# Altium PCB Dash Board.PcbDoc (continued)
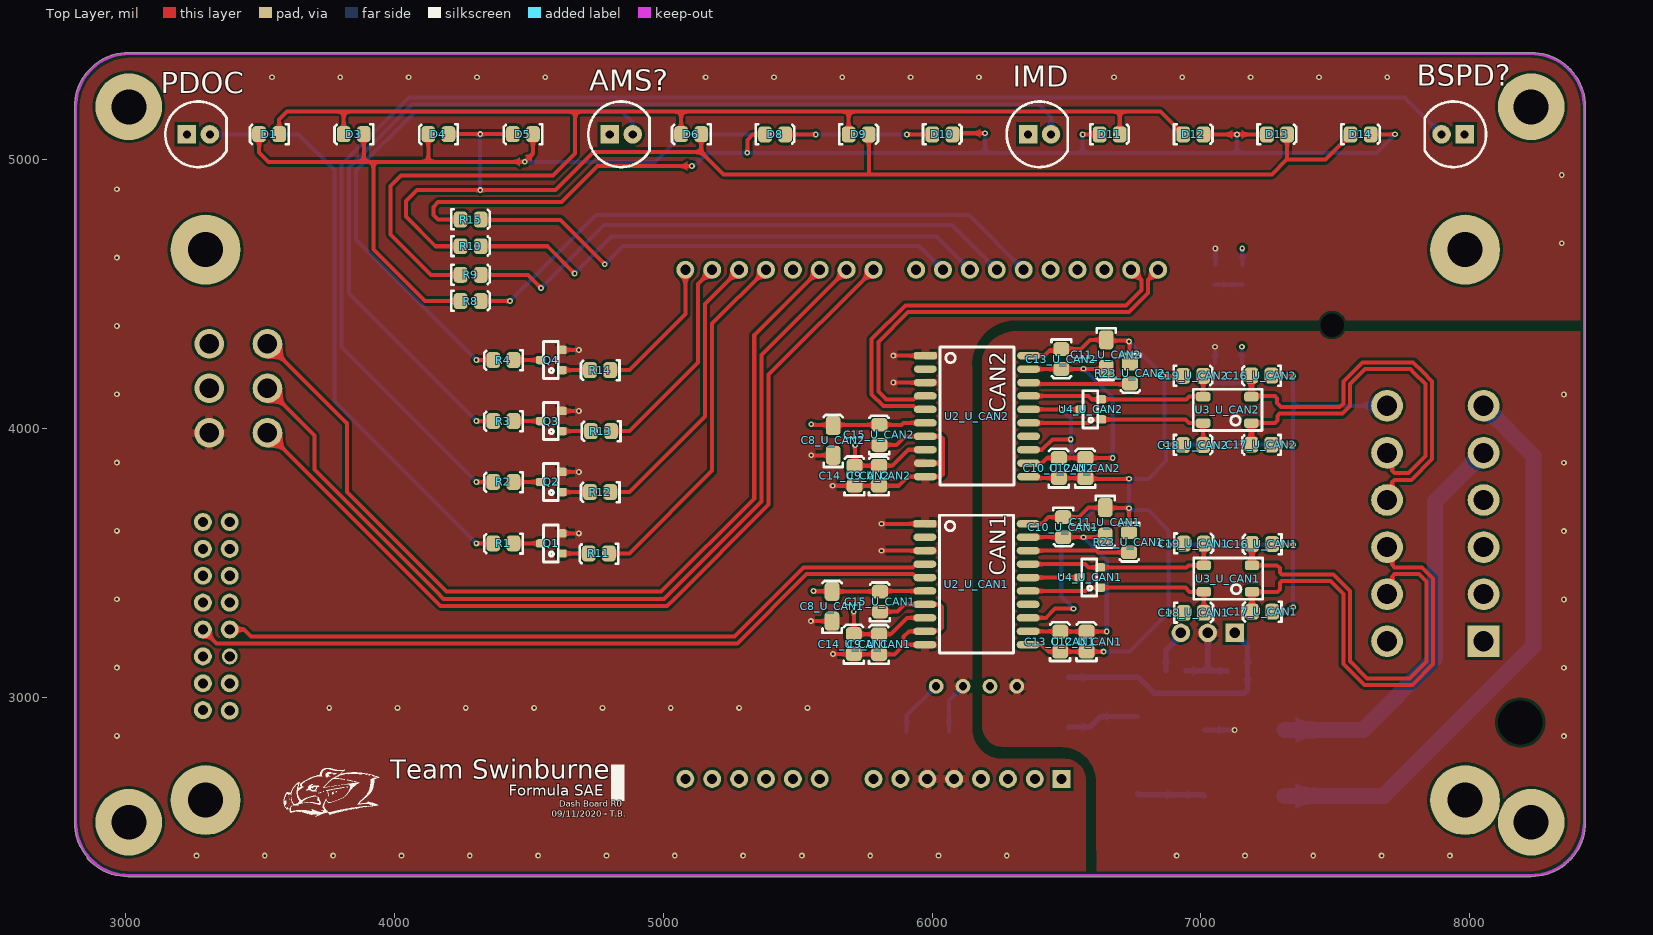
[diagram p0: Top Layer view]
## Part data
"5V ACTIVE" "5V ACTIVE (ISO)": library part SML-210LTT86, "Red LED Indication - Discrete 1.75V 0805 (2012 Metric)", Colour=Red, Digikey Part Number=511-1286-1-ND, Manufacturer="ROHM Semiconductor", Digikey Link=https://www.digikey.com/product-detail/en/rohm-semiconductor/SML-210LTT86/511-1286-1-ND/637099, Part Number=SML-210LTT86
AMS? BSPD? IMD PDOC: library part C503B-GAN-CB0F0791, "LED RED CLEAR 5MM ROUND T/H", Colour=Green, Digikey Part Number=C503B-GAN-CB0F0791-ND, Manufacturer="Cree Inc.", Digikey Link=https://www.digikey.com/products/en?mpart=C503B-GAN-CB0F0791&v=90&fbclid=IwAR2JUDlssEKQKztQKB3h34IlXIXn-Voov26K1DpWHwQ6mgzekaFZMifRLJU, Part Number=C503B-GAN-CB0F0791
C8_U_CAN1 C8_U_CAN2 C11_U_CAN1 C11_U_CAN2: library part GCM3195C2A103JA16D, Digikey Part Number=490-4978-2-ND, Manufacturer=muRata, Rated Voltage=100V, Tolerance=5%, Material=Ceramic, Part Number=GCM3195C2A103JA16D
C9_U_CAN1 C9_U_CAN2 C10_U_CAN1 C10_U_CAN2 C13_U_CAN1 C13_U_CAN2 C15_U_CAN1 C15_U_CAN2: library part GCM21BR71E104KA37L, Manufacturer=muRata, Rated Voltage=25V, Tolerance=10%, Material=X7R, Part Number=GCM21BR71E104KA37L
C12_U_CAN1 C12_U_CAN2 C14_U_CAN1 C14_U_CAN2 C20: library part GRM21BR6YA106KE43L, Digikey Part Number=490-10514-6-ND, Manufacturer=muRata, Rated Voltage=50V, Tolerance=10%, Material=X5R, Part Number=GRM21BR6YA106KE43L
C16_U_CAN1 C16_U_CAN2 C17_U_CAN1 C17_U_CAN2 C18_U_CAN1 C18_U_CAN2 C19_U_CAN1 C19_U_CAN2: library part GCM21B5C1H101JA37L, Manufacturer=muRata, Rated Voltage=50V, Tolerance=5%, Material=C0G, Part Number=GCM21B5C1H101JA37L
C21: library part GRM21BR61A226ME51L, Digikey Part Number=490-10511-1-ND, Manufacturer=muRata, Rated Voltage=10V, Tolerance=20%, Material=X5R, Part Number=GRM21BR61A226ME51L
D1 D3 D4 D5 D6 D8 D9 D10 D11 D12 D13 D14: library part SML-210LTT86, "Red LED Indication - Discrete 1.75V 0805 (2012 Metric)", Digikey Part Number=511-1286-1-ND, Manufacturer="ROHM Semiconductor", Colour=Red, Digikey Link=https://www.digikey.com/product-detail/en/rohm-semiconductor/SML-210LTT86/511-1286-1-ND/637099, Part Number=SML-210LTT86
D2: "1.2V_F 600V 5A SMB", Digikey Part Number=1655-1530-2-ND, Manufacturer="SMC Diode Solutions", Digikey Link=https://www.digikey.com/product-detail/en/smc-diode-solutions/SD560BTR/1655-1530-2-ND/6022620, Part Number=SD560BTR
D7: "DIODE ZENER 5.6V 1W SMA", Digikey Part Number=SMAZ5V6-FDICT-ND, Manufacturer="Diodes Inc", Digikey Link=https://www.digikey.com/product-detail/en/diodes-incorporated/SMAZ5V6-13-F/SMAZ5V6-FDICT-ND/755500, Part Number=SMAZ5V6-13-F
F1: "SMD 24V 2A Fuse", Digikey Part Number=507-1749-2-ND, Manufacturer="Bel Fuse Inc", Digikey Link=https://www.digikey.com/product-detail/en/bel-fuse-inc/0ZCF0200AF2C/507-1749-2-ND/4156090, Part Number=0ZCF0200AF2C
P?: "Mini-Fit VERT 3x2", Digikey Part Number=WM3802-ND, Angle=0, Contact=Gold, Digikey Link=https://www.digikey.com/product-detail/en/molex/0039281063/WM3802-ND/61404, Flange=No, Part Number=39281063, Pitch=4.20mm, Positions=6, Row Spacing=4.2mm
Q1 Q2 Q3 Q4: "300mW  BJT NPN Transistor", Digikey Part Number=BC817-16LT1OSTR-ND, Manufacturer="ON Semiconductor", Digikey Link=https://www.digikey.com.au/product-detail/en/on-semiconductor/BC817-16LT1/BC817-16LT1OSTR-ND/606178, Part Number=BC817-16LT1
R1 R2 R3 R4: library part RC0805FR07240RL, Manufacturer=YAGEO, Rated Voltage=0.125W, Tolerance=0.01, Material=FR-07, Part Number=RC0805FR07240RL, Qty=50
R8 R9 R10 R15: library part RC0805FR07680RL, Manufacturer=YAGEO, Rated Voltage=0.125W, Tolerance=0.01, Material=FR-07, Part Number=RC0805FR07680RL, Qty=50
R11 R12 R13 R14: library part RC0805FR071KL, Manufacturer=YAGEO, Rated Voltage=0.125W, Tolerance=0.01, Material=FR-07, Part Number=RC0805FR071KL, Qty=50
R23_U_CAN1 R23_U_CAN2: library part RC0805FR070RL, Manufacturer=YAGEO, Rated Voltage=0.125W, Tolerance=0.01, Material=FR-07, Part Number=RC0805FR070RL, Qty=50
R34 R35: library part RC0805FR071K5L, Manufacturer=YAGEO, Rated Voltage=0.125W, Tolerance=0.01, Material=FR-07, Part Number=RC0805FR071K5L, Qty=50
U1: "STM32F469 Discovery STM32F4 ARM® Cortex®-M4 MCU 32-Bit Embedded Evaluation Board  (The Disco 69 lol)", Digikey Part Number=497-15990-ND, Manufacturer=STMicroelectronics, Digikey Link=https://www.digikey.com/product-detail/en/stmicroelectronics/STM32F469I-DISCO/497-15990-ND/5428811, Part Number=DISCO-F469NI
U2_U_CAN1 U2_U_CAN2: "Isolated CAN Transceiver", Digikey Part Number=ADM3053BRWZ-ND, Manufacturer="Analogue Devices", Digikey Link=https://www.digikey.com/product-detail/en/analog-devices-inc/ADM3053BRWZ/ADM3053BRWZ-ND/2709332, Part Number=ADM3053
U3_U_CAN1 U3_U_CAN2: "Common mode choke intended for CANBUS 150mA 50V)", Digikey Part Number=495-4598-2-ND, Manufacturer="EPCOS (TDK)", Digikey Link=https://www.digikey.com/product-detail/en/epcos-tdk/B82787C0104H002/495-4598-2-ND/3680998, Part Number=B82787C0104H002
U4_U_CAN1 U4_U_CAN2: "Dual Line CAN Bus Protector", Digikey Part Number=NUP2105LT1GOSCT-ND, Manufacturer="ON Semiconductor", Digikey Link=https://www.digikey.com/product-detail/en/on-semiconductor/NUP2105LT1G/NUP2105LT1GOSCT-ND/1485001, Part Number=NUP2105L
U9: "CONV DC/DC 1A 5V OUT SIP VERT", Digikey Part Number=945-1395-5-ND, Manufacturer=Recom, Digikey Link=https://www.digikey.com.au/product-detail/en/recom-power/R-78C5.0-1.0/945-1395-5-ND/2652148, Part Number=R-78C5.0-1.0
U10: "5V DC-DC Converter (2W)", Digikey Part Number=945-1189-ND, Manufacturer=Recom, Digikey Link=https://www.digikey.com/product-detail/en/recom-power/RI-0505S/945-1189-ND/2256369, Part Number=RI-0505S
U11: "Common Mode Choke 120UH 2.5A 2LN 460 OHM SMD", Digikey Part Number=732-1489-2-ND, Manufacturer="Wurth Electronics Inc", Digikey Link=https://www.digikey.com/product-detail/en/wurth-electronics-inc/744272121/732-1489-2-ND/1638893, Part Number=744272121
Universal: library part DTF15-12P[[/\]]DTF15-12P, Digikey Part Number=1734-1647-ND, Angle=0, Contact="Copper Alloy", Digikey Link=https://www.digikey.com.au/product-detail/en/te-connectivity-deutsch-connectors/DTF15-12PA/1734-1647-ND/7220164, Flange=No, Part Number=DTF15-12P, Pitch=4.44mm, Positions=12, Row Spacing="9.12 mm"

## Free pads (board coordinates)
  round 248.03 hole 129.92: 4(3011.81,2535.43) 4(3011.81,5196.85) 4(8228.35,2535.43) 4(8228.35,5196.85)

## Via types
v1: diameter 21.65, hole 9.84, Top Layer to Bottom Layer, tented both sides, 118 vias

## Nets (pads, with @x,y where several pads share a name; then routed paths per layer and width w, separated by ;. In a path a pad name is that pad's centre, name@x,y a point inside that pad or via, vN(x,y) a via of type N, cw(c..) or ccw(c..) an arc to the next point about the centre after c; other vN are vias at no path point)
0V: C20.1 C21.1 R34.1 U9.2 U10.1 U11.3 | length 468.6
  Bottom Layer w15: R34.1 v1(7052.3,4304.32)
  Bottom Layer w20: C21.1 7025.2,3098.43 ; U11.3 v1(7125.2,2878.74) ; U9.2 7025.2,3098.43 ; C20.1 7025.2,3098.43
  other v1: 6909.4,2411.42 7163.55,2411.42 7417.7,2411.42 7671.85,2411.42 7926,2411.42 8350,2856 8350,3110.15 8350,3364.3 8350,3618.45 8350,3872.6 8350,4126.76
"0V (ISO)": C8_U_CAN1.1 C8_U_CAN2.1 C9_U_CAN1.1 C9_U_CAN2.1 C14_U_CAN1.1 C14_U_CAN2.1 C15_U_CAN1.1 C15_U_CAN2.1 D7.A P?.3 Q1.E Q2.E Q3.E Q4.E R35.1 U1.5 U1.6 U2_U_CAN1.1 U2_U_CAN1.3 U2_U_CAN1.7 U2_U_CAN1.9 U2_U_CAN1.10 U2_U_CAN2.1 U2_U_CAN2.3 U2_U_CAN2.7 U2_U_CAN2.9 U2_U_CAN2.10 U10.3 | length 2967.8
  Top Layer w15: Q1.E v1(4686.05,3610.05) ; Q2.E v1(4686.05,3838.61) ; Q3.E v1(4686.05,4065.4) ; Q4.E v1(4686.05,4292.32) ; v1(5549.1,3283.65) C8_U_CAN1.1 ; v1(5550.58,3900.57) C8_U_CAN2.1 ; v1(5629.73,3787.18) C14_U_CAN2.1 C9_U_CAN2.1 5875.54,3787.18 5909.51,3821.15 U2_U_CAN2.10 6031.05,3821.15 6039.84,3829.94 6039.84,3871.15 ; v1(5631.28,3161.14) C14_U_CAN1.1 5709.53,3160.36 C9_U_CAN1.1 5860.07,3160.36 5893.7,3193.99 ; C15_U_CAN2.1 5868.03,3939.18 5900.01,3971.15 U2_U_CAN2.7 6031.05,3971.15 6039.84,3962.36 6039.84,3871.15 ; C15_U_CAN1.1 5870.71,3318.62 5897.89,3345.8 U2_U_CAN1.7 6027.12,3345.8 6035.9,3337.01 6035.9,3259.14 6025.05,3248.28 5975.46,3248.28 U2_U_CAN1.9 5913.49,3245.8 5893.7,3226.01 5893.7,3193.99 ; v1@5811.75,3545.8 U2_U_CAN1.3 ; v1(5811.74,3645.8) U2_U_CAN1.1 ; v1(5855.88,4171.15) U2_U_CAN2.3 ; v1(5855.88,4271.15) 5972.03,4271.15 5973.4,4269.78 U2_U_CAN2.1 ; U2_U_CAN1.10 5895.51,3195.8 5893.7,3193.99 ; U2_U_CAN2.9 6039.84,3871.15
  Bottom Layer w15: D7.A 6062.99,2989.34 U10.3 ; R35.1 v1(7053.58,4669.99)
  other v1: 3263.63,2411.42 3517.78,2411.42 3771.93,2411.42 4026.08,2411.42 4280.23,2411.42 4534.38,2411.42 4788.53,2411.42 5042.69,2411.42 5296.84,2411.42 5515.38,2411.42 5769.53,2411.42 6023.68,2411.42 6277.83,2411.42 2967.58,2856.74 3757.15,2961 4011.3,2961 4265.45,2961 4519.6,2961 4773.76,2961 5027.91,2961 5282.06,2961 5536.21,2961 2967.58,3110.89 2967.58,3365.04 5811.74,3545.78 2967.58,3619.19 2967.58,3873.35 2967.58,4127.5 2967.58,4381.65 2967.58,4635.8 8342,4689.06 2967.58,4889.95 8342,4943.21 3544.4,5307 3798.55,5307 4052.7,5307 4306.85,5307 4561,5307 5157.4,5307 5411.55,5307 5665.7,5307 5919.85,5307 6174,5307 6676.4,5307 6930.55,5307 7184.7,5307 7438.85,5307 7693,5307
5V: "5V ACTIVE.A" C21.2 U9.3 U10.2 | length 224.5
  Bottom Layer w15: 7152.34,4244.36 v1(7152.3,4304.32)
  Bottom Layer w20: C21.2 6870.08,3177.05 6925.2,3232.17 U9.3
"5V (ISO)": "5V ACTIVE (ISO).A" AMS?.A BSPD?.A C8_U_CAN1.2 C8_U_CAN2.2 C9_U_CAN1.2 C9_U_CAN2.2 C14_U_CAN1.2 C14_U_CAN2.2 C15_U_CAN1.2 C15_U_CAN2.2 D7.K IMD.A P?.1 PDOC.A U1.8 U2_U_CAN1.6 U2_U_CAN1.8 U2_U_CAN2.6 U2_U_CAN2.8 U10.4 | length 1860.1
  Top Layer w15: v1(5550.2,4016.32) 5552.96,4013.57 5629.13,4013.57 C8_U_CAN2.2 5635.06,4013.98 C15_U_CAN2.2 5885.98,4013.98 5893.16,4021.15 U2_U_CAN2.6 ; v1(5558.71,3395.8) 5559.66,3394.84 5627,3394.84 C8_U_CAN1.2 5805.68,3393.89 C15_U_CAN1.2 5808.53,3395.8 U2_U_CAN1.6 ; v1(5708.76,3318.63) C14_U_CAN1.2 5709.53,3235.16 C9_U_CAN1.2 5846.13,3235.16 5906.76,3295.8 U2_U_CAN1.8 U2_U_CAN1.8@5975.46,3298.28 ; v1(5713.58,3937.58) 5712.56,3936.56 5712.56,3863.01 C14_U_CAN2.2 C9_U_CAN2.2 5853.43,3861.98 5912.6,3921.15 U2_U_CAN2.8
  Bottom Layer w15: D7.K 5905.51,2931.86 U10.4 ; v1@7153.54,4670.28 v1(7153.58,4670.24) 7153.62,4610.28
AMS: R12.1 U1.30 | length 1067.4
  Top Layer w15: R12.1 4874.01,3763.81 5155.1,4044.9 5155.1,4463.87 U1.30
BSPD: R14.1 U1.32 | length 530.9
  Top Layer w15: R14.1 4874.01,4217.52 5081.91,4425.42 U1.32
C1: R8.2 U1.20 | length 2236.5
  Top Layer w15: R8.2 v1(4429.72,4474.41)
  Bottom Layer w15: v1@4429.77,4474.41 4749.66,4794.29 6136.9,4794.29 U1.20
C2: R9.2 U1.21 | length 2105.9
  Top Layer w15: R9.2 4496.11,4571.8 v1(4545.28,4522.64)
  Bottom Layer w15: v1(4545.28,4522.64) 4779.53,4756.89 6074.3,4756.89 U1.21
C3: R10.2 U1.22 | length 1970
  Top Layer w15: R10.2 4568.94,4678.1 v1(4670.28,4576.77)
  Bottom Layer w15: v1(4670.28,4576.77) 4808.07,4714.57 6016.62,4714.57 U1.22
C4: R15.2 U1.23 | length 1853.3
  Top Layer w15: R15.2 4321.85,4776.57 4616.76,4776.57 v1(4782.11,4611.22)
  Bottom Layer w15: v1(4782.11,4611.22) 4782.48,4611.22 4850.39,4679.13 5952.06,4679.13 U1.23
CAN1_RX: U1.37 U2_U_CAN1.4 | length 2708.1
  Top Layer w15: U1.37 3439.52,3252.48 3465.68,3226.32 5264.78,3226.32 5521.76,3483.3 5929.19,3483.3 5941.69,3495.8 U2_U_CAN1.4
CAN1_TX: U1.44 U2_U_CAN1.5 | length 2818.6
  Top Layer w15: U1.44 3338.78,3200.99 ; 3338.78,3201.32 5275.14,3201.32 5532.12,3458.3 5929.19,3458.3 5941.69,3445.8 U2_U_CAN1.5
CAN1H_P: C16_U_CAN1.2 U3_U_CAN1.2 Universal.11 | length 1604.6
  Top Layer w15: U3_U_CAN1.2 7283.46,3491.16 7293.31,3481.32 7293.31,3464.57 7300.49,3457.38 7492.81,3457.38 7554.53,3395.67 7554.53,3134.45 7618.11,3070.87 7775.59,3070.87 7838.58,3133.86 7838.58,3431.4 7811.02,3458.96 7720.64,3458.96 7711.86,3450.17 7711.86,3403.59 Universal.11
  Top Layer w20: U3_U_CAN1.2 C16_U_CAN1.2
CAN1L_N: C17_U_CAN1.2 U3_U_CAN1.1 Universal.10 | length 1688.6
  Top Layer w15: U3_U_CAN1.1 7284.52,3392.73 7293.31,3401.52 7293.31,3425.2 7300.49,3432.38 7482.46,3432.38 7529.53,3385.31 7529.53,3124.09 7600.43,3053.19 7607.75,3045.87 7785.95,3045.87 7863.58,3123.5 7863.58,3441.75 7821.38,3483.96 7720.64,3483.96 7711.86,3492.74 7711.86,3539.33 Universal.10
  Top Layer w20: C17_U_CAN1.2 U3_U_CAN1.1
CAN2_RX: U1.15 U2_U_CAN2.4 | length 1556.9
  Top Layer w15: U2_U_CAN2.4 5943.49,4121.15 5930.99,4108.65 5829.34,4108.65 5800.2,4137.8 5800.2,4322.71 5910.56,4433.07 6732.21,4433.07 6803.24,4504.11 6803.24,4552.75 6840.51,4590.02 U1.15
CAN2_TX: U1.16 U2_U_CAN2.5 | length 1598.5
  Top Layer w15: U2_U_CAN2.5 5943.49,4071.15 5930.99,4083.65 5818.99,4083.65 5775.2,4127.44 5775.2,4333.06 5900.2,4458.07 6721.85,4458.07 6778.24,4514.46 6778.24,4552.95 U1.16
CAN2H: C16_U_CAN2.2 U3_U_CAN2.2 Universal.9 | length 1472.5
  Top Layer w15: U3_U_CAN2.2 7189.98,4121.15 7274.68,4121.15 7283.46,4112.36 7283.46,4094.49 7297.82,4080.13 7515.94,4080.13 7529.53,4093.72 7529.53,4175.29 7600.39,4246.15 7789.2,4246.15 7825.23,4210.13 7859.65,4175.71 7859.65,3886.77 7782.23,3809.35 7742.72,3809.35 7719.94,3809.35 7711.15,3800.56 7711.15,3753.28 Universal.9
  Top Layer w20: U3_U_CAN2.2 C16_U_CAN2.2
CAN2L: C17_U_CAN2.2 U3_U_CAN2.1 Universal.8 | length 1387.5
  Top Layer w15: U3_U_CAN2.1 7275.09,4020.18 7284.52,4029.61 7284.52,4047.24 7292.41,4055.13 7526.29,4055.13 7554.53,4083.37 7554.53,4164.93 7610.74,4221.15 7778.85,4221.15 7791.34,4208.66 7834.65,4165.35 7834.65,3897.13 7771.87,3834.35 7732.36,3834.35 7719.94,3834.35 7711.15,3843.14 7711.15,3890.42 Universal.8
  Top Layer w20: C17_U_CAN2.2 U3_U_CAN2.1
CANS: C10_U_CAN1.1 C10_U_CAN2.1 C11_U_CAN1.1 C11_U_CAN2.1 C12_U_CAN1.1 C12_U_CAN2.1 C13_U_CAN1.1 C13_U_CAN2.1 C16_U_CAN1.1 C16_U_CAN2.1 C17_U_CAN1.1 C17_U_CAN2.1 C18_U_CAN1.1 C18_U_CAN2.1 C19_U_CAN1.1 C19_U_CAN2.1 R23_U_CAN1.1 R23_U_CAN2.1 U2_U_CAN1.11 U2_U_CAN1.13 U2_U_CAN1.16 U2_U_CAN1.20 U2_U_CAN2.11 U2_U_CAN2.13 U2_U_CAN2.16 U2_U_CAN2.20 U4_U_CAN1.3 U4_U_CAN2.3 Universal.7 | length 7645
  Top Layer w15: U2_U_CAN1.13 6422.62,3295.8 6456.64,3329.82 v1(6525.59,3329.82) ; U2_U_CAN1.16 6357.05,3445.88 v1(6480.31,3445.88) 6547.16,3445.88 U4_U_CAN1.3 ; U2_U_CAN1.20 6408.5,3645.8 6433.3,3670.6 C10_U_CAN1.1 6547,3670.6 6582.44,3706.03 C11_U_CAN1.1 6644.8,3704.93 6731.18,3704.93 v1(6732.28,3703.84) R23_U_CAN1.1 ; U2_U_CAN1.11 6407.71,3195.8 6433.13,3170.37 6476.21,3170.37 C13_U_CAN1.1 ; U2_U_CAN2.11 6364.3,3815.66 C10_U_CAN2.1 C12_U_CAN2.1 6572.59,3813 v1(6732.28,3813) ; U2_U_CAN2.13 6408.84,3921.15 6447.43,3959.74 v1(6515.75,3959.74) ; U2_U_CAN2.16 v1(6480.31,4071.15) U4_U_CAN2.3 ; U2_U_CAN2.20 6417.87,4271.15 6437.07,4290.35 C13_U_CAN2.1@6474.72,4290.35 ; C13_U_CAN1.1@6469.57,3170.21 C13_U_CAN1.1 ; C13_U_CAN2.1 6553.54,4295.95 6587.51,4329.91 C11_U_CAN2.1 ; v1(6637.79,3170.21) C12_U_CAN1.1 C13_U_CAN1.1 ; C11_U_CAN2.1@6650.64,4326.91 6729.28,4326.91 v1(6732.28,4323.91) 6734.25,4321.95 6734.25,4244.19 R23_U_CAN2.1 ; v1(6860.24,4195.96) 6860.29,4196.02 6933.45,4196.02 C19_U_CAN2.1 ; v1(6870.08,3940.06) 6932.13,3940.06 C18_U_CAN2.1 ; v1(6879.92,3316.04) 6934.83,3316.04 C18_U_CAN1.1 ; v1(6879.92,3568.07) 6932,3568.07 C19_U_CAN1.1 ; C16_U_CAN2.1@7260.83,4204.02 C16_U_CAN2.1@7264.76,4200.09 ; C17_U_CAN2.1 7262.31,3939.99 7332.61,3939.99 v1@7332.68,3940.06 ; C16_U_CAN2.1 7263.9,4195.65 7332.37,4195.65 v1@7332.68,4195.96 ; C17_U_CAN1.1 7267.63,3316.04 7314.57,3316.04 7333.53,3335 v1(7343,3335) ; C16_U_CAN1.1 7266.95,3568.2 7332.55,3568.2 v1@7332.68,3568.07
  Bottom Layer w15: v1(6480.31,4071.15) 6515.75,4035.72 v1(6515.75,3959.74) 6515.75,3905.25 6608,3813 v1(6732.28,3813) ; v1(6525.59,3329.82) 6480.31,3375.1 v1(6480.31,3445.88) 6480.31,3575.56 6608.59,3703.84 v1(6732.28,3703.84) ; v1(6637.79,3170.21) 6734.09,3170.21 v1(6879.92,3316.04) v1(6879.92,3568.07) ; v1(6732.28,4323.91) v1(6860.24,4195.96) 6865.16,4191.04 6865.16,3944.98 v1(6870.08,3940.06) ; v1@7332.68,3940.06 v1(6870.08,3940.06) ; v1(7343,3335) v1(7343,3568.07) ; v1@7343,3575.88 v1(7343,3568.07) ; v1(7343,4195.96) 7343,4084.65 ; Universal.7 7343,4084.65 ; v1(6732.28,3703.84) 6738.98,3697.14 6804,3697.14 6879.92,3621.22 v1(6879.92,3568.07) ; v1(6732.28,3703.84) v1(6732.28,3813) ; v1(6732.28,3813) 6804,3813 6870.08,3879.08 v1(6870.08,3940.06) ; v1(6879.92,3568.07) v1(7343,3568.07) ; v1(7343,3568.07) v1(7343,3940.06) 7343,4084.65
"Enc Button": P?.4 U1.27 | length 3437.3
  Top Layer w15: P?.4 3822.83,4019.69 3822.83,3764.81 4194.23,3393.42 4992.32,3393.42 5338.38,3739.47 5338.38,4347.14 U1.27
"Enc Channel A": P?.6 U1.25 | length 3322.7
  Top Layer w15: P?.6 4172.02,3339.79 5014.53,3339.79 5041.63,3366.89 5392,3717.26 5392,4200.76 U1.25
"Enc Channel B": P?.5 U1.26 | length 3380
  Top Layer w15: P?.5 3702.76,3974.41 3702.76,3846.97 4153.68,3396.04 4183.12,3366.61 5003.43,3366.61 5032.86,3396.04 5365.19,3728.37 5365.19,4273.95 U1.26
GLV+: U11.1 Universal.6 | length 2126.1
  Bottom Layer w60: U11.1 7680.2,2633.86 8236.22,3189.88 8236.22,3899.61 Universal.6
GLV-: U11.4 Universal. Universal.5 | length 1507.6
  Bottom Layer w60: U11.4 7603.15,2878.74 7870.08,3145.67 7870.08,3728.35 Universal.5@8051.18,3909.45
IMD: R13.1 U1.31 | length 796
  Top Layer w15: R13.1 4873.93,3990.6 5128.29,4244.95 5128.29,4537.06 U1.31
"Net5V ACTIVE (ISO)_K": "5V ACTIVE (ISO).K" R35.2 | length 100.1
  Bottom Layer w15: R35.2@7049.68,4535.23 R35.2@7049.93,4535.48 ; R35.2@7053.87,4535.48 7153.62,4535.48
"Net5V ACTIVE_K": "5V ACTIVE.K" R34.2 | length 100
  Bottom Layer w15: R34.2 7152.34,4169.56
NetAMS?_K: AMS?.K R4.2 | length 2133.5
  Top Layer w15: v1(4304.75,4254.92) R4.2
  Bottom Layer w15: v1(4304.75,4254.92) 3857,4702.67 3857,4959.17 4076.21,5178.38 4846.62,5178.38 4886.42,5138.58 AMS?.K
NetBSPD?_K: BSPD?.K R2.2 | length 5703.5
  Top Layer w15: v1(4304.75,3801.21) R2.2
  Bottom Layer w15: v1(4304.75,3801.21) 3803.38,4302.58 3803.38,4981.38 4054,5232 7757.74,5232 BSPD?.K
NetC10_U_CAN1_2: C10_U_CAN1.2 C11_U_CAN1.2 C12_U_CAN1.2 C13_U_CAN1.2 U2_U_CAN1.12 U2_U_CAN1.19 | length 966.2
  Top Layer w15: U2_U_CAN1.12 6475.59,3245.8 C13_U_CAN1.2 C12_U_CAN1.2 6649.44,3245.01 v1(6649.57,3245.14) ; U2_U_CAN1.19 C10_U_CAN1.2 v1@6562.99,3595.8 ; v1(6562.99,3595.57) v1@6562.99,3595.8 ; C11_U_CAN1.2 v1@6562.99,3595.8
  Bottom Layer w15: v1(6562.99,3595.57) 6649.57,3508.99 v1(6649.57,3245.14)
NetC10_U_CAN2_2: C10_U_CAN2.2 C11_U_CAN2.2 C12_U_CAN2.2 C13_U_CAN2.2 U2_U_CAN2.12 U2_U_CAN2.19 | length 987.7
  Top Layer w15: U2_U_CAN2.12 6408.46,3871.15 6427.77,3890.46 C10_U_CAN2.2 C12_U_CAN2.2 v1(6671.86,3890.46) ; U2_U_CAN2.19 C13_U_CAN2.2 6646.16,4221.15 C11_U_CAN2.2
  Bottom Layer w15: v1(6562.99,4222.54) 6671.86,4113.66 v1(6671.86,3890.46)
NetC18_U_CAN1_2: C18_U_CAN1.2 U2_U_CAN1.15 U3_U_CAN1.4 U4_U_CAN1.1 | length 743.6
  Top Layer w15: U2_U_CAN1.15 6569.93,3395.8 6582.69,3408.56 6942.08,3408.56 6957.9,3392.73 U3_U_CAN1.4 C18_U_CAN1.2
NetC18_U_CAN2_2: C18_U_CAN2.2 U2_U_CAN2.15 U3_U_CAN2.4 U4_U_CAN2.1 | length 741.9
  Top Layer w15: U2_U_CAN2.15 6581.89,4021.15 6594.49,4033.75 U4_U_CAN2.1 6942.08,4033.75 6955.64,4020.18 U3_U_CAN2.4 C18_U_CAN2.2
NetC19_U_CAN1_2: C19_U_CAN1.2 U2_U_CAN1.17 U3_U_CAN1.3 U4_U_CAN1.2 | length 743.2
  Top Layer w15: U2_U_CAN1.17 6569.45,3495.8 6581.89,3483.36 U4_U_CAN1.2 6945.97,3483.36 6953.76,3491.16 U3_U_CAN1.3 C19_U_CAN1.2
NetC19_U_CAN2_2: C19_U_CAN2.2 U2_U_CAN2.17 U3_U_CAN2.3 U4_U_CAN2.2 | length 736.4
  Top Layer w15: U2_U_CAN2.17 6581.89,4121.15 6594.49,4108.55 6945.29,4108.55 6955.35,4118.61 U3_U_CAN2.3 C19_U_CAN2.2
NetC20_2: C20.2 D2.K U9.1 | length 927.4
  Bottom Layer w20: D2.K 6767.72,3074.8 6826.87,3015.65 7161.51,3015.65 7173.23,3027.37 7173.23,3192.13 U9.1
NetD1_A: D1.A D3.K D6.K D9.A D11.K D12.A R9.1 | length 5201.4
  Top Layer w15: D1.A 3571.28,5149.75 3600.73,5179.21 3811.12,5179.21 ; D3.K 3811.12,5179.21 ; R9.1 4135.83,4571.8 3985.24,4722.39 3985.24,4902.56 4023.62,4940.94 4590.55,4940.94 4672.24,5022.64 4672.24,5179.21 ; D6.K 5066.25,5179.21 ; D9.A 5689.57,5179.21 ; D11.K 6697.91,5179.21 ; D12.A 6934.29,5094.94 6913.33,5115.9 6912.26,5115.9 6848.95,5179.21 6697.91,5179.21 ; 3811.12,5179.21 4672.24,5179.21 ; 4672.24,5179.21 4738.26,5179.21 5066.25,5179.21 ; 5066.25,5179.21 5689.57,5179.21 ; 5689.57,5179.21 6697.91,5179.21
NetD1_K: D1.K D3.A D4.K D5.A D8.K D10.A R8.1 | length 3793.8
  Top Layer w15: D1.K 3496.48,5027.15 3531.28,4992.34 3885.92,4992.34 ; D3.A 3885.92,4992.34 ; D4.K 4125.77,4992.34 ; R8.1 4113.19,4474.41 3921.61,4665.99 3921.61,4992.34 ; D5.A 4515.22,5023.09 v1(4484.47,4992.34) 4271.65,4992.34 4125.77,4992.34 ; D8.K v1(5567.09,5093.87) ; v1(5905.98,5093.87) D10.A ; 3885.92,4992.34 3921.61,4992.34 ; 3921.61,4992.34 4125.77,4992.34
  Bottom Layer w15: v1(4484.47,4992.34) 4969.7,4992.34 5071.23,5093.87 v1(5905.98,5093.87)
NetD2_A: D2.A F1.2 | length 272.2
  Bottom Layer w20: D2.A 6586.61,2889.76 6625.98,2929.13 F1.2
NetD4_A: D4.A D5.K D6.A D9.K D13.K D14.A R10.1 | length 4752.2
  Top Layer w15: D4.A v1(4318.9,5095.11) D5.K ; R10.1 4153.59,4678.1 4042.28,4789.42 4042.28,4845.92 4083.17,4886.81 v1(4318.9,4886.81) 4599.41,4886.81 4740.84,5028.25 5141.05,5028.25 ; D6.A 5141.05,5028.25 ; D9.K 5764.37,4945.08 5764.57,4944.88 ; D13.K 7320.27,5001.37 7318.9,5000 ; D14.A 7462.78,5000 7318.9,5000 ; 5141.05,5028.25 5224.41,4944.88 5764.57,4944.88 ; 5764.57,4944.88 5765.05,4945.37 7264.26,4945.37 7318.9,5000
  Bottom Layer w15: v1(4318.9,4886.81) v1(4318.9,5095.11) v1@4318.9,5096.23
NetD8_A: D8.A D10.K D11.A D12.K D13.A D14.K R15.1 | length 4672.6
  Top Layer w15: R15.1 4161.99,4777.56 4144.63,4794.93 4144.63,4824.75 4162.38,4842.5 4622.03,4842.5 4755.91,4976.38 v1(5106.3,4976.38) ; v1(5312.39,5025.73) 5312.39,5074.15 5332.11,5093.87 D8.A ; D10.K 6080.1,5098.43 v1(6196.85,5098.43) ; v1(6559.61,5093.87) D11.A ; D12.K v1(7133.86,5093.87) D13.A ; D14.K 7720.93,5093.87 v1(7721.55,5094.49)
  Bottom Layer w15: v1(5106.3,4976.38) 5114.17,4976.38 5163.52,5025.73 v1(5312.39,5025.73) 6196.85,5025.73 ; v1(6196.85,5098.43) 6196.85,5025.73 ; v1(6559.61,5093.87) 6559.61,5025.73 ; v1(7133.86,5093.87) 7133.86,5025.73 ; v1(7721.55,5094.49) 7721.55,5093.59 7653.68,5025.73 7133.86,5025.73 ; 6196.85,5025.73 6559.61,5025.73 ; 6559.61,5025.73 7133.86,5025.73
NetF1_1: F1.1 U11.2 | length 251.3
  Bottom Layer w20: F1.1 6767.72,2637.8 7007.87,2637.8 U11.2
NetIMD_K: IMD.K R3.2 | length 3995.3
  Top Layer w15: v1(4304.75,4028) R3.2
  Bottom Layer w15: v1(4304.75,4028) 3830.19,4502.56 3830.19,4970.27 4065.11,5205.19 6396.81,5205.19 6442.32,5159.68 IMD.K
NetPDOC_K: PDOC.K R1.2 | length 2188.9
  Top Layer w15: v1(4304.75,3572.88) R1.2
  Bottom Layer w15: PDOC.K 3643.56,5094.49 3776.57,4961.48 3776.57,4101.07 v1(4304.75,3572.88)
NetQ1_B: Q1.B R11.2 | length 99.7
  Top Layer w15: Q1.B R11.2
NetQ1_C: Q1.C R1.1 | length 101.9
  Top Layer w15: R1.1 4442.66,3572.77 4544.2,3572.77 Q1.C
NetQ2_B: Q2.B R12.2 | length 104.6
  Top Layer w15: Q2.B R12.2
NetQ2_C: Q2.C R2.1 | length 101.8
  Top Layer w15: R2.1 Q2.C
NetQ3_B: Q3.B R13.2 | length 107.7
  Top Layer w15: Q3.B R13.2
NetQ3_C: Q3.C R3.1 | length 101.8
  Top Layer w15: R3.1 Q3.C
NetQ4_B: Q4.B R14.2 | length 104.6
  Top Layer w15: Q4.B R14.2
NetQ4_C: Q4.C R4.1 | length 101.8
  Top Layer w15: R4.1 Q4.C
NetR23_U_CAN1_2: R23_U_CAN1.2 U2_U_CAN1.18 | length 377.9
  Top Layer w15: U2_U_CAN1.18 6611.47,3545.8 6617.71,3539.56 R23_U_CAN1.2
NetR23_U_CAN2_2: R23_U_CAN2.2 U2_U_CAN2.18 | length 382.5
  Top Layer w15: U2_U_CAN2.18 6362.51,4167.42 6362.51,4164.93 6733.74,4164.93 R23_U_CAN2.2
PDOC: R11.1 U1.29 | length 1342.2
  Top Layer w15: R11.1 4873.93,3535.25 5181.91,3843.23 5181.91,4390.68 U1.29
pads on no net: P?.2 U1.0 U1.1 U1.2 U1.3 U1.4 U1.7 U1.9 U1.10 U1.11 U1.12 U1.13 U1.14 U1.17 U1.18 U1.19 U1.24 U1.28 U1.33 U1.34 U1.35 U1.36 U1.38 U1.39 U1.40 U1.41 U1.42 U1.43 U1.45 U1.46 U1.47 U1.48 U2_U_CAN1.2 U2_U_CAN1.14 U2_U_CAN2.2 U2_U_CAN2.14 Universal.1 Universal.2 Universal.3 Universal.4 Universal.12

## Polygon pours and split planes (outlines as drawn)
0V on Bottom Layer "0V_L04_P002" (solid, pour order 2): 6612.84,2354 8221.92,2354 ccw(c8221.92,2541.82) 8409.74,2541.82 8409.74,4361.31 6298.83,4361.31 ccw(c6310.03,4236.17) 6186.79,4260.61 6186.79,2893.18 ccw(c6264.36,2893.18) 6264.36,2815.61 6479.83,2815.61 cw(c6480.02,2685.22) 6610.41,2685.21 6610.41,2507
"0V (ISO)" on Bottom Layer "0V_(ISO)_L04_P001" (solid, pour order 1): 6571,2356.59 3005,2356.59 cw(c3005,2534.58) 2827,2534.58 2827,5189.99 cw(c3018.6,5189.99) 3018.6,5381.59 8232.04,5381.59 cw(c8232.05,5203.63) 8410,5203.62 8410,4405.59 6303.47,4405.59 ccw(c6311.95,4241.09) 6147.45,4232.6 6147.45,2879.59 ccw(c6260.28,2887.31) 6268,2774.47 6486.29,2774.47 cw(c6489.12,2692.6) 6571,2695.41
0V on Top Layer "0V_L01_P003" (solid, pour order 3): 6613,2354 8222.09,2354 ccw(c8222.09,2541.82) 8409.9,2541.82 8409.9,4361.31 6299,4361.31 ccw(c6310.2,4236.17) 6186.95,4260.61 6186.95,2893.18 ccw(c6264.52,2893.18) 6264.52,2815.61 6480,2815.61 cw(c6480.18,2685.22) 6610.57,2685.21 6610.57,2507
"0V (ISO)" on Top Layer "0V_(ISO)_L01_P000" (solid, pour order 0): 6572,2354 3006,2354 cw(c3006,2532) 2828,2532 2828,5187.4 cw(c3019.6,5187.4) 3019.6,5379 8233.04,5379 cw(c8233.05,5201.04) 8411,5201.03 8411,4403 6304.47,4403 ccw(c6312.95,4238.5) 6148.45,4230.01 6148.45,2877 ccw(c6261.28,2884.72) 6269,2771.89 6487.29,2771.89 cw(c6490.12,2690.01) 6572,2692.83
"5V (ISO)" on Power (split plane): 178 vertices, not listed, extent 2829.97,2353.59 8410.12,5378.69
5V on Power (split plane): 6309.97,4362.78 8410.12,4362.78 8410.12,2535.43 8410.19,2534.72 8409.82,2523.54 8408.65,2511.7 8406.72,2499.95 8404.01,2488.36 8400.56,2476.98 8396.37,2465.84 8391.45,2455 8385.84,2444.5 8379.56,2434.4 8372.63,2424.72 8365.08,2415.52 8356.94,2406.84 8348.26,2398.7 8339.06,2391.15 8329.38,2384.22 8319.28,2377.93 8308.78,2372.32 8297.94,2367.41 8286.8,2363.22 8275.42,2359.77 8263.83,2357.06 8252.08,2355.13 8240.24,2353.96 8229.13,2353.6 8228.43,2353.66 8228.38,2353.66 8228.35,2353.66 8228.35,2354.91 8228.09,2354.8 8228.11,2353.66 6612.55,2353.66 6612.55,2691.34 6612.54,2691.41 6612.17,2700.76 6611.07,2710.13 6609.23,2719.37 6606.67,2728.45 6603.4,2737.3 6599.46,2745.86 6594.85,2754.09 6589.61,2761.93 6583.77,2769.33 6577.37,2776.26 6570.45,2782.66 6563.04,2788.5 6555.2,2793.73 6546.97,2798.34 6538.41,2802.29 6529.56,2805.55 6520.49,2808.11 6511.24,2809.95 6501.87,2811.06 6492.52,2811.43 6492.45,2811.44 6266.27,2811.44 6265.64,2811.37 6258.43,2811.73 6250.66,2812.88 6243.05,2814.79 6235.66,2817.43 6228.56,2820.79 6221.83,2824.82 6215.52,2829.5 6209.71,2834.77 6204.43,2840.59 6199.76,2846.89 6195.72,2853.63 6192.36,2860.73 6189.72,2868.12 6187.81,2875.73 6186.66,2883.5 6186.31,2890.71 6186.37,2891.34 6186.37,3005.49 6186.37,4239.17 6185.98,4243.09 6185.54,4244.55 6185.68,4247.97 6186.83,4257.69 6188.74,4267.3 6191.39,4276.72 6194.78,4285.9 6198.88,4294.79 6203.66,4303.33 6209.1,4311.47 6215.16,4319.16 6221.81,4326.35 6229,4333 6236.69,4339.06 6244.83,4344.5 6253.37,4349.28 6262.26,4353.38 6271.44,4356.77 6280.87,4359.43 6290.47,4361.34 6300.19,4362.49 6309.3,4362.84
"0V (ISO)" on GND (split plane): 178 vertices, not listed, extent 2829.97,2353.59 8410.12,5378.69
0V on GND (split plane): 6310.04,4362.78 8410.12,4362.78 8410.12,2535.43 8410.19,2534.72 8409.82,2523.54 8408.65,2511.7 8406.72,2499.95 8404.01,2488.36 8400.56,2476.98 8396.37,2465.84 8391.45,2455 8385.84,2444.5 8379.56,2434.4 8372.63,2424.72 8365.08,2415.52 8356.94,2406.84 8348.26,2398.7 8339.06,2391.15 8329.38,2384.22 8319.28,2377.93 8308.78,2372.32 8297.94,2367.41 8286.8,2363.22 8275.42,2359.77 8263.83,2357.06 8252.08,2355.13 8240.24,2353.96 8229.13,2353.6 8228.43,2353.66 8228.38,2353.66 8228.35,2353.66 8228.35,2354.91 8228.09,2354.8 8228.11,2353.66 6612.62,2353.66 6612.62,2691.34 6612.61,2691.41 6612.24,2700.76 6611.13,2710.13 6609.29,2719.37 6606.73,2728.45 6603.47,2737.3 6599.52,2745.86 6594.92,2754.09 6589.68,2761.93 6583.84,2769.33 6577.44,2776.26 6570.51,2782.66 6563.11,2788.5 6555.27,2793.73 6547.04,2798.34 6538.48,2802.29 6529.63,2805.55 6520.55,2808.11 6511.31,2809.95 6501.94,2811.06 6492.59,2811.43 6492.52,2811.44 6266.34,2811.44 6265.71,2811.37 6258.5,2811.73 6250.73,2812.88 6243.12,2814.79 6235.73,2817.43 6228.63,2820.79 6221.9,2824.82 6215.59,2829.5 6209.77,2834.77 6204.5,2840.59 6199.82,2846.89 6195.79,2853.63 6192.43,2860.73 6189.79,2868.12 6187.88,2875.73 6186.73,2883.5 6186.37,2890.71 6186.44,2891.34 6186.44,3005.49 6186.44,4239.17 6186.05,4243.09 6185.61,4244.55 6185.74,4247.97 6186.89,4257.69 6188.8,4267.3 6191.46,4276.72 6194.85,4285.9 6198.95,4294.79 6203.73,4303.33 6209.17,4311.47 6215.23,4319.16 6221.88,4326.35 6229.07,4333 6236.75,4339.06 6244.89,4344.5 6253.44,4349.28 6262.33,4353.38 6271.51,4356.77 6280.93,4359.43 6290.53,4361.34 6300.26,4362.49 6309.37,4362.84

## Keep-outs
Keep-Out Layer:
  lines w10: 2814.96,2522.15 2814.96,5196.85 cw(c3011.81,5196.85) 3011.81,5393.7 8228.35,5393.7 cw(c8228.35,5196.85) 8425.2,5196.85 ; 2814.96,2535.43 ccw(c3011.81,2535.43) 3011.81,2338.58 8228.35,2338.58 ; 2862.93,2402.24 ccw(c3007.87,2535.43) 3007.87,2338.58 ; 8373.29,2402.24 cw(c8228.35,2535.43) 8228.35,2338.58 ; 8425.2,5210.16 8425.2,2535.43 cw(c8228.35,2535.43) 8228.35,2338.58

## Other copper
GND (plane layer: these items are gaps in the copper):
  rectangle: 3583.66,2551.18 3947.83,2741.14
  lines w40: 6165.35,4235.24 6165.35,4238.19 cw(c6310.04,4238.19) 6310.04,4382.87 8549.28,4382.87 ; 6166.34,4239.17 6166.34,3005.49 6166.34,2891.34 ccw(c6266.34,2891.34) 6266.34,2791.34 6479.33,2791.34 6492.52,2791.34 cw(c6492.52,2691.34) 6592.52,2691.34 6592.52,2304.13
Power (plane layer: these items are gaps in the copper):
  rectangle: 3583.66,2552.17 3947.83,2741.14
  lines w40: 6165.29,4235.24 6165.29,4238.19 cw(c6309.97,4238.19) 6309.97,4382.87 8549.21,4382.87 ; 6166.27,4239.17 6166.27,3005.49 6166.27,2891.34 ccw(c6266.27,2891.34) 6266.27,2791.34 6479.26,2791.34 6492.45,2791.34 cw(c6492.45,2691.34) 6592.45,2691.34 6592.45,2304.13

## Silkscreen, mask and mechanical layers (free items; w line width, h text height)
Top Overlay:
  drawing of 20 lines, arcs and shapes, not listed
  text "CAN2" at 6274,4057.98 h60 r90
  text "CAN1" at 6274,3452 h60 r90
  text "Team Swinburne" at 3984.84,2674.02 h120
  text "Formula SAE" at 4425.96,2619.01 h70
  text "Dash Board R0" at 4612.71,2584.06 h40
  text "09/11/2020 - T.B." at 4585.59,2547.06 h40
Bottom Overlay:
  drawing of 20 lines, arcs and shapes, not listed
  text "Team Swinburne" at 4790.57,2674.01 h120
  text "Formula SAE" at 4790.12,2618.99 h70
  text "Dash Board R0" at 4823.88,2584.04 h40
  text "09/11/2020 - T.B." at 4855.64,2547.04 h40

## Dimensions
3011.81,5393.7 to 3011.81,2338.58 on Drill Drawing
2814.96,5196.85 to 8425.2,5210.16 on Drill Drawing